# KiCad board Sentinel 65X Keyboard - V01.kicad_pcb
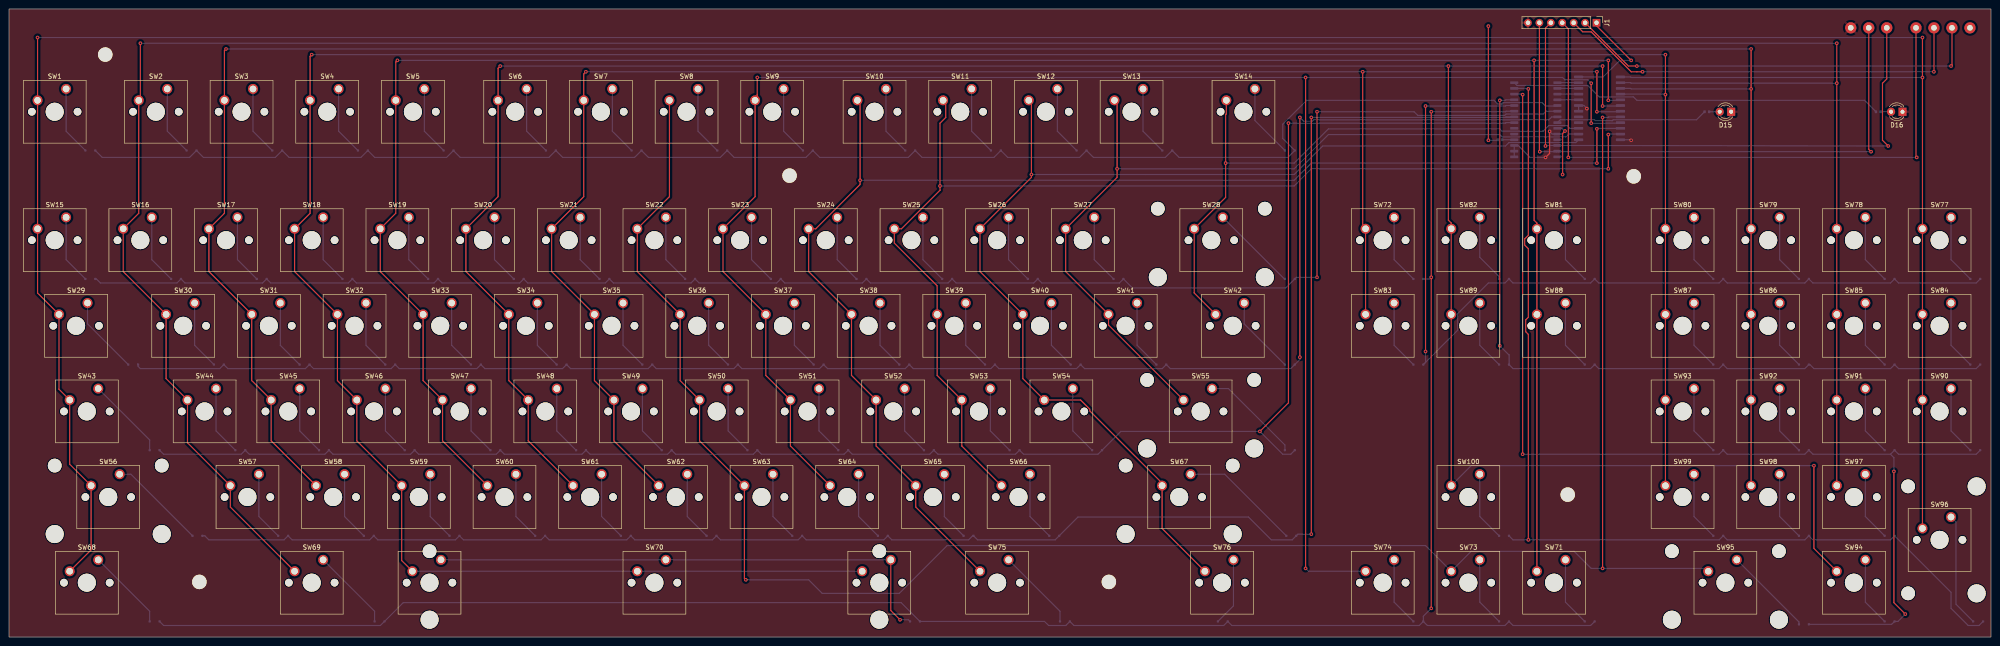
[diagram p0: board, top side]
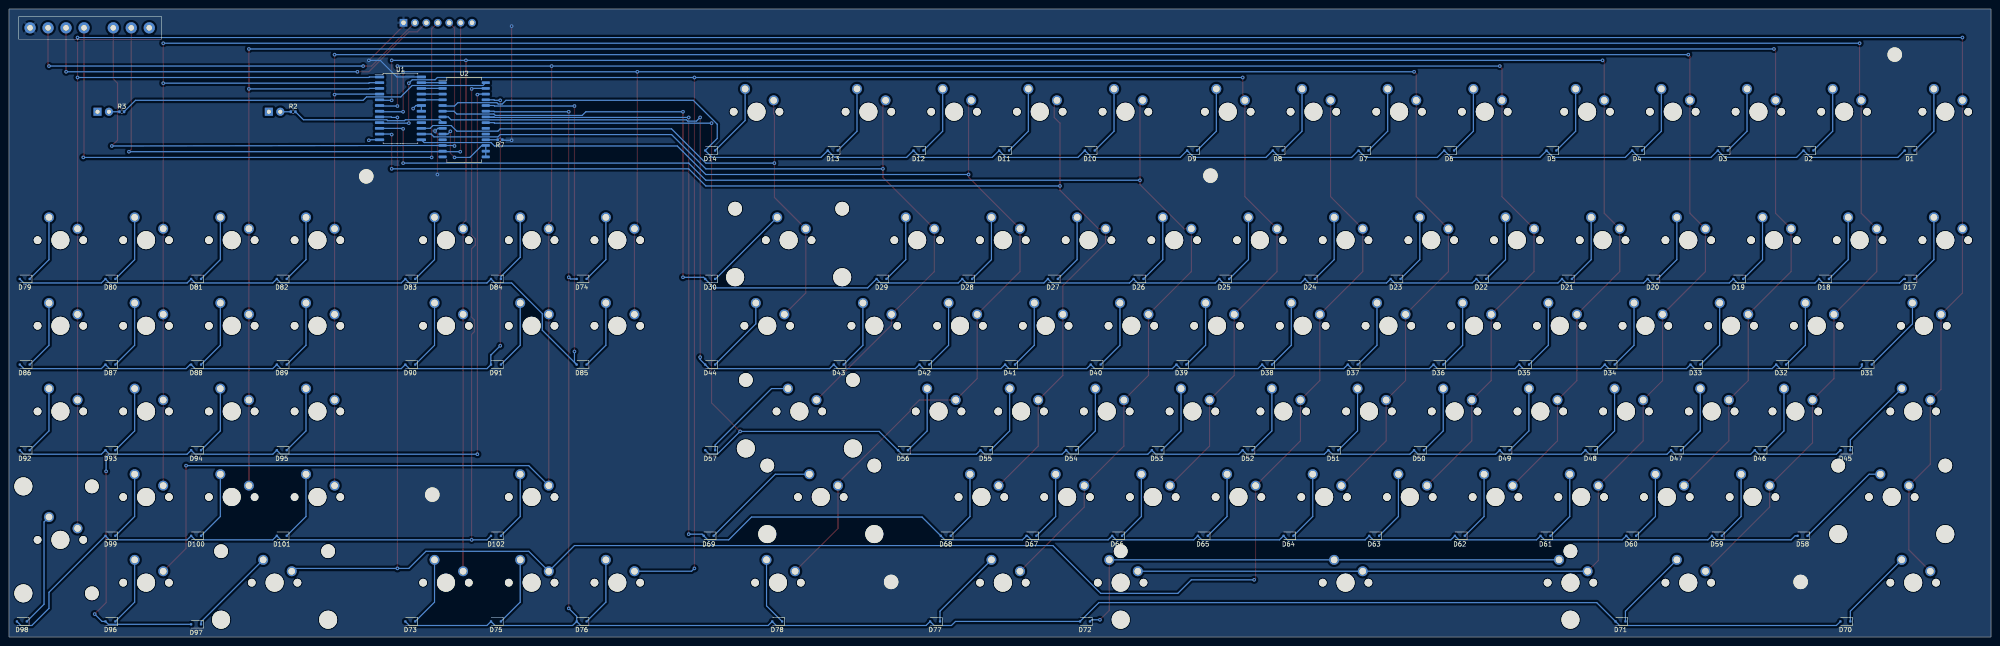
[diagram p1: board, bottom side, seen from below]

Outline 440.69 x 139.73 mm; copper layers: Top, Bottom. Coordinates in mm from the lower left corner of the outline.
Outline path: rectangle 0,139.73 440.69,0

## Placement (name value [footprint] x y rotation side)
D1  1N4148  [D_SOD-323F]  18.09 108.24 0 bottom
D2  1N4148  [D_SOD-323F]  40.59 108.24 0 bottom
D3  1N4148  [D_SOD-323F]  59.64 108.24 0 bottom
D4  1N4148  [D_SOD-323F]  78.69 108.24 0 bottom
D5  1N4148  [D_SOD-323F]  97.74 108.24 0 bottom
D6  1N4148  [D_SOD-323F]  120.48 108.24 0 bottom
D7  1N4148  [D_SOD-323F]  139.53 108.24 0 bottom
D8  1N4148  [D_SOD-323F]  158.58 108.24 0 bottom
D9  1N4148  [D_SOD-323F]  177.63 108.24 0 bottom
D10  1N4148  [D_SOD-323F]  200.38 108.24 0 bottom
D11  1N4148  [D_SOD-323F]  219.43 108.24 0 bottom
D12  1N4148  [D_SOD-323F]  238.48 108.24 0 bottom
D13  1N4148  [D_SOD-323F]  257.53 108.24 0 bottom
D14  1N4148  [D_SOD-323F]  284.79 108.24 0 bottom
D15  LED  [LED_D3.0mm]  382.91 116.87 180 top
D16  LED  [LED_D3.0mm]  421.01 116.87 180 top
D17  1N4148  [D_SOD-323F]  18.09 79.67 0 bottom
D18  1N4148  [D_SOD-323F]  37.14 79.67 0 bottom
D19  1N4148  [D_SOD-323F]  56.19 79.67 0 bottom
D20  1N4148  [D_SOD-323F]  75.24 79.67 0 bottom
D21  1N4148  [D_SOD-323F]  94.29 79.67 0 bottom
D22  1N4148  [D_SOD-323F]  113.34 79.67 0 bottom
D23  1N4148  [D_SOD-323F]  132.39 79.67 0 bottom
D24  1N4148  [D_SOD-323F]  151.44 79.67 0 bottom
D25  1N4148  [D_SOD-323F]  170.49 79.67 0 bottom
D26  1N4148  [D_SOD-323F]  189.54 79.67 0 bottom
D27  1N4148  [D_SOD-323F]  208.59 79.67 0 bottom
D28  1N4148  [D_SOD-323F]  227.64 79.67 0 bottom
D29  1N4148  [D_SOD-323F]  246.69 79.67 0 bottom
D30  1N4148  [D_SOD-323F]  284.79 79.67 0 bottom
D31  1N4148  [D_SOD-323F]  27.62 60.62 0 bottom
D32  1N4148  [D_SOD-323F]  46.66 60.62 0 bottom
D33  1N4148  [D_SOD-323F]  65.72 60.62 0 bottom
D34  1N4148  [D_SOD-323F]  84.77 60.62 0 bottom
D35  1N4148  [D_SOD-323F]  103.81 60.62 0 bottom
D36  1N4148  [D_SOD-323F]  122.87 60.62 0 bottom
D37  1N4148  [D_SOD-323F]  141.92 60.62 0 bottom
D38  1N4148  [D_SOD-323F]  160.97 60.62 0 bottom
D39  1N4148  [D_SOD-323F]  180.02 60.62 0 bottom
D40  1N4148  [D_SOD-323F]  199.06 60.62 0 bottom
D41  1N4148  [D_SOD-323F]  218.12 60.62 0 bottom
D42  1N4148  [D_SOD-323F]  237.16 60.62 0 bottom
D43  1N4148  [D_SOD-323F]  256.21 60.62 0 bottom
D44  1N4148  [D_SOD-323F]  284.79 60.62 0 bottom
D45  1N4148  [D_SOD-323F]  32.38 41.57 0 bottom
D46  1N4148  [D_SOD-323F]  51.43 41.57 0 bottom
D47  1N4148  [D_SOD-323F]  70.03 41.57 0 bottom
D48  1N4148  [D_SOD-323F]  89.09 41.57 0 bottom
D49  1N4148  [D_SOD-323F]  108.14 41.57 0 bottom
D50  1N4148  [D_SOD-323F]  127.19 41.57 0 bottom
D51  1N4148  [D_SOD-323F]  146.24 41.57 0 bottom
D52  1N4148  [D_SOD-323F]  165.28 41.57 0 bottom
D53  1N4148  [D_SOD-323F]  185.49 41.57 0 bottom
D54  1N4148  [D_SOD-323F]  204.53 41.57 0 bottom
D55  1N4148  [D_SOD-323F]  223.59 41.57 0 bottom
D56  1N4148  [D_SOD-323F]  241.93 41.57 0 bottom
D57  1N4148  [D_SOD-323F]  284.79 41.57 0 bottom
D58  1N4148  [D_SOD-323F]  41.9 22.52 0 bottom
D59  1N4148  [D_SOD-323F]  60.95 22.52 0 bottom
D60  1N4148  [D_SOD-323F]  80 22.52 0 bottom
D61  1N4148  [D_SOD-323F]  99.05 22.52 0 bottom
D62  1N4148  [D_SOD-323F]  118.1 22.52 0 bottom
D63  1N4148  [D_SOD-323F]  137.15 22.52 0 bottom
D64  1N4148  [D_SOD-323F]  156.2 22.52 0 bottom
D65  1N4148  [D_SOD-323F]  175.25 22.52 0 bottom
D66  1N4148  [D_SOD-323F]  194.3 22.52 0 bottom
D67  1N4148  [D_SOD-323F]  213.35 22.52 0 bottom
D68  1N4148  [D_SOD-323F]  232.4 22.52 0 bottom
D69  1N4148  [D_SOD-323F]  285.11 22.52 0 bottom
D70  1N4148  [D_SOD-323F]  32.38 3.47 0 bottom
D71  1N4148  [D_SOD-323F]  82.38 3.47 0 bottom
D72  1N4148  [D_SOD-323F]  201.45 3.47 0 bottom
D73  1N4148  [D_SOD-323F]  351.46 3.47 0 bottom
D74  1N4148  [D_SOD-323F]  313.36 79.67 0 bottom
D75  1N4148  [D_SOD-323F]  332.41 3.47 0 bottom
D76  1N4148  [D_SOD-323F]  313.36 3.47 0 bottom
D77  1N4148  [D_SOD-323F]  234.78 3.47 0 bottom
D78  1N4148  [D_SOD-323F]  269.89 3.47 0 bottom
D79  1N4148  [D_SOD-323F]  437.19 79.67 0 bottom
D80  1N4148  [D_SOD-323F]  418.14 79.67 0 bottom
D81  1N4148  [D_SOD-323F]  399.09 79.67 0 bottom
D82  1N4148  [D_SOD-323F]  380.04 79.67 0 bottom
D83  1N4148  [D_SOD-323F]  351.46 79.67 0 bottom
D84  1N4148  [D_SOD-323F]  332.41 79.67 0 bottom
D85  1N4148  [D_SOD-323F]  313.36 60.62 0 bottom
D86  1N4148  [D_SOD-323F]  437.19 60.62 0 bottom
D87  1N4148  [D_SOD-323F]  418.14 60.62 0 bottom
D88  1N4148  [D_SOD-323F]  399.09 60.62 0 bottom
D89  1N4148  [D_SOD-323F]  380.04 60.62 0 bottom
D90  1N4148  [D_SOD-323F]  351.46 60.62 0 bottom
D91  1N4148  [D_SOD-323F]  332.41 60.62 0 bottom
D92  1N4148  [D_SOD-323F]  437.19 41.57 0 bottom
D93  1N4148  [D_SOD-323F]  418.14 41.57 0 bottom
D94  1N4148  [D_SOD-323F]  399.09 41.57 0 bottom
D95  1N4148  [D_SOD-323F]  380.04 41.57 0 bottom
D96  1N4148  [D_SOD-323F]  418.14 3.47 0 bottom
D97  1N4148  [D_SOD-323F]  399.09 2.83 0 bottom
D98  1N4148  [D_SOD-323F]  437.83 3.47 0 bottom
D99  1N4148  [D_SOD-323F]  418.14 22.52 0 bottom
D100  1N4148  [D_SOD-323F]  399.09 22.52 0 bottom
D101  1N4148  [D_SOD-323F]  380.04 22.52 0 bottom
D102  1N4148  [D_SOD-323F]  332.41 22.52 0 bottom
H1  MountingHole  [MountingHole_3.2mm_M3_DIN965]  21.41 129.58 0 top
H2  MountingHole  [MountingHole_3.2mm_M3_DIN965]  42.33 12.26 0 top
H3  MountingHole  [MountingHole_3.2mm_M3_DIN965]  173.55 102.65 0 top
H4  MountingHole  [MountingHole_3.2mm_M3_DIN965]  244.55 12.26 0 top
H5  MountingHole  [MountingHole_3.2mm_M3_DIN965]  361.25 102.49 0 top
H6  MountingHole  [MountingHole_3.2mm_M3_DIN965]  346.57 31.68 0 top
J1  Controller Cable  [PinHeader_1x07_P2.54mm_Vertical]  352.97 136.67 270 top
J2  Controller Cable  [SNES Controller Port (Female, 90º, THT)]  420.77 135.53 180 bottom
R2  1KΩ  [R_0402_1005Metric]  377.51 116.87 180 bottom
R3  1KΩ  [R_0402_1005Metric]  415.61 116.87 180 bottom
R7  10KΩ  [R_0402_1005Metric]  331.51 110.63 0 bottom
SW1  ESCAPE  [SW_Cherry_MX_1.00u_PCB]  12.7 121.95 0 top
SW2  F1  [SW_Cherry_MX_1.00u_PCB]  35.2 121.95 0 top
SW3  F2  [SW_Cherry_MX_1.00u_PCB]  54.25 121.95 0 top
SW4  F3  [SW_Cherry_MX_1.00u_PCB]  73.3 121.95 0 top
SW5  F4  [SW_Cherry_MX_1.00u_PCB]  92.35 121.95 0 top
SW6  F5  [SW_Cherry_MX_1.00u_PCB]  115.09 121.95 0 top
SW7  F6  [SW_Cherry_MX_1.00u_PCB]  134.14 121.95 0 top
SW8  F7  [SW_Cherry_MX_1.00u_PCB]  153.19 121.95 0 top
SW9  F8  [SW_Cherry_MX_1.00u_PCB]  172.24 121.95 0 top
SW10  F9  [SW_Cherry_MX_1.00u_PCB]  194.99 121.95 0 top
SW11  F10  [SW_Cherry_MX_1.00u_PCB]  214.04 121.95 0 top
SW12  F11  [SW_Cherry_MX_1.00u_PCB]  233.09 121.95 0 top
SW13  F12  [SW_Cherry_MX_1.00u_PCB]  252.14 121.95 0 top
SW14  BREAK  [SW_Cherry_MX_1.25u_PCB]  277.02 121.95 0 top
SW15  TILDE  [SW_Cherry_MX_1.00u_PCB]  12.7 93.37 0 top
SW16  1  [SW_Cherry_MX_1.00u_PCB]  31.75 93.37 0 top
SW17  2  [SW_Cherry_MX_1.00u_PCB]  50.8 93.37 0 top
SW18  3  [SW_Cherry_MX_1.00u_PCB]  69.85 93.37 0 top
SW19  4  [SW_Cherry_MX_1.00u_PCB]  88.9 93.37 0 top
SW20  5  [SW_Cherry_MX_1.00u_PCB]  107.95 93.37 0 top
SW21  6  [SW_Cherry_MX_1.00u_PCB]  127 93.37 0 top
SW22  7  [SW_Cherry_MX_1.00u_PCB]  146.05 93.37 0 top
SW23  8  [SW_Cherry_MX_1.00u_PCB]  165.1 93.37 0 top
SW24  9  [SW_Cherry_MX_1.00u_PCB]  184.15 93.37 0 top
SW25  0  [SW_Cherry_MX_1.00u_PCB]  203.2 93.37 0 top
SW26  HYPHEN  [SW_Cherry_MX_1.00u_PCB]  222.25 93.37 0 top
SW27  EQUALS  [SW_Cherry_MX_1.00u_PCB]  241.3 93.37 0 top
SW28  BACKSPACE  [SW_Cherry_MX_2.00u_PCB]  269.88 93.37 0 top
SW29  TAB  [SW_Cherry_MX_1.50u_PCB]  17.46 74.32 0 top
SW30  Q  [SW_Cherry_MX_1.00u_PCB]  41.27 74.32 0 top
SW31  W  [SW_Cherry_MX_1.00u_PCB]  60.32 74.32 0 top
SW32  E  [SW_Cherry_MX_1.00u_PCB]  79.38 74.32 0 top
SW33  R  [SW_Cherry_MX_1.00u_PCB]  98.43 74.32 0 top
SW34  T  [SW_Cherry_MX_1.00u_PCB]  117.47 74.32 0 top
SW35  Y  [SW_Cherry_MX_1.00u_PCB]  136.53 74.32 0 top
SW36  U  [SW_Cherry_MX_1.00u_PCB]  155.58 74.32 0 top
SW37  I  [SW_Cherry_MX_1.00u_PCB]  174.62 74.32 0 top
SW38  O  [SW_Cherry_MX_1.00u_PCB]  193.68 74.32 0 top
SW39  P  [SW_Cherry_MX_1.00u_PCB]  212.72 74.32 0 top
SW40  OPEN_BRACKET  [SW_Cherry_MX_1.00u_PCB]  231.78 74.32 0 top
SW41  CLOSE_BRACKET  [SW_Cherry_MX_1.00u_PCB]  250.83 74.32 0 top
SW42  BK_SLASH  [SW_Cherry_MX_1.50u_PCB]  274.64 74.32 0 top
SW43  COMMAND  [SW_Cherry_MX_1.75u_PCB]  19.84 55.27 0 top
SW44  A  [SW_Cherry_MX_1.00u_PCB]  46.04 55.27 0 top
SW45  S  [SW_Cherry_MX_1.00u_PCB]  64.65 55.27 0 top
SW46  D  [SW_Cherry_MX_1.00u_PCB]  83.69 55.27 0 top
SW47  F  [SW_Cherry_MX_1.00u_PCB]  102.75 55.27 0 top
SW48  G  [SW_Cherry_MX_1.00u_PCB]  121.8 55.27 0 top
SW49  H  [SW_Cherry_MX_1.00u_PCB]  140.84 55.27 0 top
SW50  J  [SW_Cherry_MX_1.00u_PCB]  159.9 55.27 0 top
SW51  K  [SW_Cherry_MX_1.00u_PCB]  180.09 55.27 0 top
SW52  L  [SW_Cherry_MX_1.00u_PCB]  199.15 55.27 0 top
SW53  SEMICOLON  [SW_Cherry_MX_1.00u_PCB]  218.2 55.27 0 top
SW54  APOSTROPHE  [SW_Cherry_MX_1.00u_PCB]  236.54 55.27 0 top
SW55  RETURN  [SW_Cherry_MX_2.25u_PCB]  267.49 55.27 0 top
SW56  L_SHIFT  [SW_Cherry_MX_2.25u_PCB]  24.61 36.22 0 top
SW57  Z  [SW_Cherry_MX_1.00u_PCB]  55.56 36.22 0 top
SW58  X  [SW_Cherry_MX_1.00u_PCB]  74.61 36.22 0 top
SW59  C  [SW_Cherry_MX_1.00u_PCB]  196.06 17.17 0 top
SW59#2  C  [SW_Cherry_MX_1.00u_PCB]  93.66 36.22 0 top
SW59#3  C  [SW_Cherry_MX_1.00u_PCB]  96.04 17.17 0 top
SW60  V  [SW_Cherry_MX_1.00u_PCB]  112.71 36.22 0 top
SW61  B  [SW_Cherry_MX_1.00u_PCB]  131.76 36.22 0 top
SW62  N  [SW_Cherry_MX_1.00u_PCB]  150.81 36.22 0 top
SW63  M  [SW_Cherry_MX_1.00u_PCB]  169.86 36.22 0 top
SW64  COMMA  [SW_Cherry_MX_1.00u_PCB]  188.91 36.22 0 top
SW65  PERIOD  [SW_Cherry_MX_1.00u_PCB]  207.96 36.22 0 top
SW66  FW_SLASH  [SW_Cherry_MX_1.00u_PCB]  227.01 36.22 0 top
SW67  R_SHIFT  [SW_Cherry_MX_2.75u_PCB]  262.73 36.22 0 top
SW68  CONTROL  [SW_Cherry_MX_1.75u_PCB]  19.84 17.17 0 top
SW69  L_OPTION  [SW_Cherry_MX_1.75u_PCB]  69.85 17.17 0 top
SW70  SPACE  [SW_Cherry_MX_6.25u_PCB]  146.05 17.17 0 top
SW71  RIGHT  [SW_Cherry_MX_1.00u_PCB]  346.07 17.17 0 top
SW72  INSERT  [SW_Cherry_MX_1.00u_PCB]  307.97 93.37 0 top
SW73  DOWN  [SW_Cherry_MX_1.00u_PCB]  327.02 17.17 0 top
SW74  LEFT  [SW_Cherry_MX_1.00u_PCB]  307.97 17.17 0 top
SW75  R_OPTION  [SW_Cherry_MX_1.75u_PCB]  222.25 17.17 0 top
SW76  COMPOSE  [SW_Cherry_MX_1.75u_PCB]  272.26 17.17 0 top
SW77  NUM_MULTIPLY  [SW_Cherry_MX_1.00u_PCB]  431.8 93.37 0 top
SW78  NUM_DIVIDE  [SW_Cherry_MX_1.00u_PCB]  412.75 93.37 0 top
SW79  NUM_EQUALS  [SW_Cherry_MX_1.00u_PCB]  393.7 93.37 0 top
SW80  NUM_CLEAR  [SW_Cherry_MX_1.00u_PCB]  374.65 93.37 0 top
SW81  PAGE_UP  [SW_Cherry_MX_1.00u_PCB]  346.07 93.37 0 top
SW82  HOME  [SW_Cherry_MX_1.00u_PCB]  327.02 93.37 0 top
SW83  DELETE  [SW_Cherry_MX_1.00u_PCB]  307.97 74.32 0 top
SW84  NUM_SUBTRACT  [SW_Cherry_MX_1.00u_PCB]  431.8 74.32 0 top
SW85  NUM_9  [SW_Cherry_MX_1.00u_PCB]  412.75 74.32 0 top
SW86  NUM_8  [SW_Cherry_MX_1.00u_PCB]  393.7 74.32 0 top
SW87  NUM_7  [SW_Cherry_MX_1.00u_PCB]  374.65 74.32 0 top
SW88  PAGE_DOWN  [SW_Cherry_MX_1.00u_PCB]  346.07 74.32 0 top
SW89  END  [SW_Cherry_MX_1.00u_PCB]  327.02 74.32 0 top
SW90  NUM_ADD  [SW_Cherry_MX_1.00u_PCB]  431.8 55.27 0 top
SW91  NUM_6  [SW_Cherry_MX_1.00u_PCB]  412.75 55.27 0 top
SW92  NUM_5  [SW_Cherry_MX_1.00u_PCB]  393.7 55.27 0 top
SW93  NUM_4  [SW_Cherry_MX_1.00u_PCB]  374.65 55.27 0 top
SW94  NUM_POINT  [SW_Cherry_MX_1.00u_PCB]  412.75 17.17 0 top
SW95  NUM_0  [SW_Cherry_MX_2.00u_PCB]  384.17 17.17 0 top
SW96  NUM_ENTER  [SW_Cherry_MX_2.00u_Vertical_PCB]  431.8 26.7 0 top
SW97  NUM_3  [SW_Cherry_MX_1.00u_PCB]  412.75 36.22 0 top
SW98  NUM_2  [SW_Cherry_MX_1.00u_PCB]  393.7 36.22 0 top
SW99  NUM_1  [SW_Cherry_MX_1.00u_PCB]  374.65 36.22 0 top
SW100  UP  [SW_Cherry_MX_1.00u_PCB]  327.02 36.22 0 top
U1  74HC154  [SOIC-24W_7.5x15.4mm_P1.27mm]  353.65 117.62 180 bottom
U2  MCP23017_SP  [SOIC-28W_7.5x18.7mm_P1.27mm]  339.48 115.08 180 bottom

## Library data of the parts
D1-D14 D17-D102 = -: Description: Diode; Sim.Device: D; Sim.Pins: 1=K 2=A
D15 D16 = -: Description: Light emitting diode
H1-H6 = -: Description: Mounting Hole without connection
J1 J2 = -: Description: Generic connector, single row, 01x07, script generated (kicad-library-utils/schlib/autogen/connector/)
R2 R3 R7 = -: Description: Resistor
SW1-SW59 SW59#2 SW59#3 SW60-SW100 = -: Description: Single Pole Single Throw (SPST) switch
U1 = -: Description: Decoder 4 to 16
U2 = -: Description: 16-bit I/O expander, I2C, interrupts, w pull-ups, SPDIP-28

## Footprints (pads in the part's own frame, mm; a bottom-side part is the same pattern mirrored in y, then rotated)
D_SOD-323F
  rrect 0.5x0.5 smd: 1(-1.1,0) 2(1.1,0)
LED_D3.0mm
  rect 1.8x1.8 hole 0.9: 1(0,0)
  round 1.8 hole 0.9: 2(2.54,0)
MountingHole_3.2mm_M3_DIN965
  round 3.2 hole 3.2 unplated: (0,0)
PinHeader_1x07_P2.54mm_Vertical
  rect 1.7x1.7 hole 1: 1(0,0)
  oval 1.7x1.7 hole 1: 2(0,-2.54) 3(0,-5.08) 4(0,-7.62) 5(0,-10.16) 6(0,-12.7) 7(0,-15.24)
R_0402_1005Metric
  rrect 0.54x0.64 smd: 1(-0.51,0) 2(0.51,0)
SNES Controller Port (Female, 90º, THT)
  round 2.5 hole 1.25: 1(-15.24,0) 2(-11.24,0) 3(-7.24,0) 4(-3.24,0) 5(3.26,0) 6(7.26,0) 7(11.26,0)
SOIC-24W_7.5x15.4mm_P1.27mm
  rrect 2.05x0.6 smd: 1(-4.65,6.985) 2(-4.65,5.715) 3(-4.65,4.445) 4(-4.65,3.175) 5(-4.65,1.905) 6(-4.65,0.635) 7(-4.65,-0.635) 8(-4.65,-1.905) 9(-4.65,-3.175) 10(-4.65,-4.445) 11(-4.65,-5.715) 12(-4.65,-6.985) 13(4.65,-6.985) 14(4.65,-5.715) 15(4.65,-4.445) 16(4.65,-3.175) 17(4.65,-1.905) 18(4.65,-0.635) 19(4.65,0.635) 20(4.65,1.905) 21(4.65,3.175) 22(4.65,4.445) 23(4.65,5.715) 24(4.65,6.985)
SOIC-28W_7.5x18.7mm_P1.27mm
  rrect 1.8x0.6 smd: 1(-4.8,8.255) 2(-4.8,6.985) 3(-4.8,5.715) 4(-4.8,4.445) 5(-4.8,3.175) 6(-4.8,1.905) 7(-4.8,0.635) 8(-4.8,-0.635) 9(-4.8,-1.905) 10(-4.8,-3.175) 11(-4.8,-4.445) 12(-4.8,-5.715) 13(-4.8,-6.985) 14(-4.8,-8.255) 15(4.8,-8.255) 16(4.8,-6.985) 17(4.8,-5.715) 18(4.8,-4.445) 19(4.8,-3.175) 20(4.8,-1.905) 21(4.8,-0.635) 22(4.8,0.635) 23(4.8,1.905) 24(4.8,3.175) 25(4.8,4.445) 26(4.8,5.715) 27(4.8,6.985) 28(4.8,8.255)
SW_Cherry_MX_1.00u_PCB
  round 1.7 hole 1.7 unplated: (-7.62,-5.08) (2.54,-5.08)
  round 4 hole 4 unplated: (-2.54,-5.08)
  round 2.2 hole 1.5: 1(0,0) 2(-6.35,-2.54)
SW_Cherry_MX_1.25u_PCB
  round 1.7 hole 1.7 unplated: (-7.62,-5.08) (2.54,-5.08)
  round 4 hole 4 unplated: (-2.54,-5.08)
  round 2.2 hole 1.5: 1(0,0) 2(-6.35,-2.54)
SW_Cherry_MX_1.50u_PCB
  round 1.7 hole 1.7 unplated: (-7.62,-5.08) (2.54,-5.08)
  round 4 hole 4 unplated: (-2.54,-5.08)
  round 2.2 hole 1.5: 1(0,0) 2(-6.35,-2.54)
SW_Cherry_MX_1.75u_PCB
  round 1.7 hole 1.7 unplated: (-7.62,-5.08) (2.54,-5.08)
  round 4 hole 4 unplated: (-2.54,-5.08)
  round 2.2 hole 1.5: 1(0,0) 2(-6.35,-2.54)
SW_Cherry_MX_2.00u_PCB
  round 3.05 hole 3.05 unplated: (-14.44,1.92) (9.36,1.92)
  round 4 hole 4 unplated: (-14.44,-13.32) (-2.54,-5.08) (9.36,-13.32)
  round 1.7 hole 1.7 unplated: (-7.62,-5.08) (2.54,-5.08)
  round 2.2 hole 1.5: 1(0,0) 2(-6.35,-2.54)
SW_Cherry_MX_2.00u_Vertical_PCB
  round 3.05 hole 3.05 unplated: (-9.54,6.82) (-9.54,-16.98)
  round 1.7 hole 1.7 unplated: (-7.62,-5.08) (2.54,-5.08)
  round 4 hole 4 unplated: (-2.54,-5.08) (5.7,6.82) (5.7,-16.98)
  round 2.2 hole 1.5: 1(0,0) 2(-6.35,-2.54)
SW_Cherry_MX_2.25u_PCB
  round 3.05 hole 3.05 unplated: (-14.44,1.92) (9.36,1.92)
  round 4 hole 4 unplated: (-14.44,-13.32) (-2.54,-5.08) (9.36,-13.32)
  round 1.7 hole 1.7 unplated: (-7.62,-5.08) (2.54,-5.08)
  round 2.2 hole 1.5: 1(0,0) 2(-6.35,-2.54)
SW_Cherry_MX_2.75u_PCB
  round 3.05 hole 3.05 unplated: (-14.44,1.92) (9.36,1.92)
  round 4 hole 4 unplated: (-14.44,-13.32) (-2.54,-5.08) (9.36,-13.32)
  round 1.7 hole 1.7 unplated: (-7.62,-5.08) (2.54,-5.08)
  round 2.2 hole 1.5: 1(0,0) 2(-6.35,-2.54)
SW_Cherry_MX_6.25u_PCB
  round 3.05 hole 3.05 unplated: (-52.54,1.92) (47.46,1.92)
  round 4 hole 4 unplated: (-52.54,-13.32) (-2.54,-5.08) (47.46,-13.32)
  round 1.7 hole 1.7 unplated: (-7.62,-5.08) (2.54,-5.08)
  round 2.2 hole 1.5: 1(0,0) 2(-6.35,-2.54)

## Nets
GND: D15.1 D16.1 J1.7 J2.7 U1.12 U1.18 U1.19 U2.10 U2.15 U2.16 U2.17
VCC: J1.1 J2.1 R7.1 U1.24 U2.9
COL0: SW1.2 SW15.2 SW29.2 SW43.2 SW56.2 SW68.2 SW77.2 SW84.2 SW90.2 SW96.2 U1.1
COL1: SW2.2 SW16.2 SW30.2 SW44.2 SW57.2 SW69.2 SW78.2 SW85.2 SW91.2 SW97.2 U1.2
COL2: SW3.2 SW17.2 SW31.2 SW45.2 SW58.2 SW79.2 SW86.2 SW92.2 SW98.2 U1.3
COL3: SW4.2 SW18.2 SW32.2 SW46.2 SW59.2 SW59#2.2 SW59#3.2 SW70.2 SW80.2 SW87.2 SW93.2 SW99.2 U1.4
COL4: SW5.2 SW19.2 SW33.2 SW47.2 SW60.2 SW71.2 SW81.2 SW88.2 U1.5
COL5: SW6.2 SW20.2 SW34.2 SW48.2 SW61.2 SW82.2 SW89.2 SW94.2 SW100.2 U1.6
COL6: SW7.2 SW21.2 SW35.2 SW49.2 SW62.2 SW72.2 SW83.2 U1.7
COL7: SW8.2 SW22.2 SW36.2 SW50.2 SW63.2 SW73.2 SW95.2 U1.8
COL8: SW9.2 SW23.2 SW37.2 SW51.2 SW64.2 SW74.2 U1.9
COL9: SW10.2 SW24.2 SW38.2 SW52.2 SW65.2 SW75.2 U1.10
COL10: SW11.2 SW25.2 SW39.2 SW53.2 SW66.2 U1.11
COL11: SW12.2 SW26.2 SW40.2 SW54.2 SW67.2 SW76.2 U1.13
COL12: SW13.2 SW27.2 SW41.2 SW55.2 U1.14
COL13: SW14.2 SW28.2 SW42.2 U1.15
LED0: R2.2 U2.8
LED1: R3.2 U2.28
ROW0: D1.2 D2.2 D3.2 D4.2 D5.2 D6.2 D7.2 D8.2 D9.2 D10.2 D11.2 D12.2 D13.2 D14.2 U2.5
ROW1: D17.2 D18.2 D19.2 D20.2 D21.2 D22.2 D23.2 D24.2 D25.2 D26.2 D27.2 D28.2 D29.2 D30.2 U2.6
ROW2: D31.2 D32.2 D33.2 D34.2 D35.2 D36.2 D37.2 D38.2 D39.2 D40.2 D41.2 D42.2 D43.2 D44.2 U2.7
ROW3: D45.2 D46.2 D47.2 D48.2 D49.2 D50.2 D51.2 D52.2 D53.2 D54.2 D55.2 D56.2 D57.2 U2.21
ROW4: D58.2 D59.2 D60.2 D61.2 D62.2 D63.2 D64.2 D65.2 D66.2 D67.2 D68.2 D69.2 U2.22
ROW5: D70.2 D71.2 D72.2 D73.2 D74.2 D75.2 D76.2 D77.2 D78.2 U2.23
ROW6: D79.2 D80.2 D81.2 D82.2 D83.2 D84.2 D85.2 U2.24
ROW7: D86.2 D87.2 D88.2 D89.2 D90.2 D91.2 U2.25
ROW8: D92.2 D93.2 D94.2 D95.2 D96.2 D97.2 U2.26
ROW9: D98.2 D99.2 D100.2 D101.2 D102.2 U2.27
SCL: J1.5 J2.5 U2.12
SDA: J1.6 J2.6 U2.13
SNES_CLK: J1.2 J2.2
SNES_DATA: J1.4 J2.4
SNES_LATCH: J1.3 J2.3
Net-(D1-K): D1.1 SW1.1
Net-(D2-K): D2.1 SW2.1
Net-(D3-K): D3.1 SW3.1
Net-(D4-K): D4.1 SW4.1
Net-(D5-K): D5.1 SW5.1
Net-(D6-K): D6.1 SW6.1
Net-(D7-K): D7.1 SW7.1
Net-(D8-K): D8.1 SW8.1
Net-(D9-K): D9.1 SW9.1
Net-(D10-K): D10.1 SW10.1
Net-(D11-K): D11.1 SW11.1
Net-(D12-K): D12.1 SW12.1
Net-(D13-K): D13.1 SW13.1
Net-(D14-K): D14.1 SW14.1
Net-(D15-A): D15.2 R2.1
Net-(D16-A): D16.2 R3.1
Net-(D17-K): D17.1 SW15.1
Net-(D18-K): D18.1 SW16.1
Net-(D19-K): D19.1 SW17.1
Net-(D20-K): D20.1 SW18.1
Net-(D21-K): D21.1 SW19.1
Net-(D22-K): D22.1 SW20.1
Net-(D23-K): D23.1 SW21.1
Net-(D24-K): D24.1 SW22.1
Net-(D25-K): D25.1 SW23.1
Net-(D26-K): D26.1 SW24.1
Net-(D27-K): D27.1 SW25.1
Net-(D28-K): D28.1 SW26.1
Net-(D29-K): D29.1 SW27.1
Net-(D30-K): D30.1 SW28.1
Net-(D31-K): D31.1 SW29.1
Net-(D32-K): D32.1 SW30.1
Net-(D33-K): D33.1 SW31.1
Net-(D34-K): D34.1 SW32.1
Net-(D35-K): D35.1 SW33.1
Net-(D36-K): D36.1 SW34.1
Net-(D37-K): D37.1 SW35.1
Net-(D38-K): D38.1 SW36.1
Net-(D39-K): D39.1 SW37.1
Net-(D40-K): D40.1 SW38.1
Net-(D41-K): D41.1 SW39.1
Net-(D42-K): D42.1 SW40.1
Net-(D43-K): D43.1 SW41.1
Net-(D44-K): D44.1 SW42.1
Net-(D45-K): D45.1 SW43.1
Net-(D46-K): D46.1 SW44.1
Net-(D47-K): D47.1 SW45.1
Net-(D48-K): D48.1 SW46.1
Net-(D49-K): D49.1 SW47.1
Net-(D50-K): D50.1 SW48.1
Net-(D51-K): D51.1 SW49.1
Net-(D52-K): D52.1 SW50.1
Net-(D53-K): D53.1 SW51.1
Net-(D54-K): D54.1 SW52.1
Net-(D55-K): D55.1 SW53.1
Net-(D56-K): D56.1 SW54.1
Net-(D57-K): D57.1 SW55.1
Net-(D58-K): D58.1 SW56.1
Net-(D59-K): D59.1 SW57.1
Net-(D60-K): D60.1 SW58.1
Net-(D61-K): D61.1 SW59#2.1
Net-(D62-K): D62.1 SW60.1
Net-(D63-K): D63.1 SW61.1
Net-(D64-K): D64.1 SW62.1
Net-(D65-K): D65.1 SW63.1
Net-(D66-K): D66.1 SW64.1
Net-(D67-K): D67.1 SW65.1
Net-(D68-K): D68.1 SW66.1
Net-(D69-K): D69.1 SW67.1
Net-(D70-K): D70.1 SW68.1
Net-(D71-K): D71.1 SW69.1
Net-(D72-K): D72.1 SW59.1 SW59#3.1 SW70.1
Net-(D73-K): D73.1 SW71.1
Net-(D74-K): D74.1 SW72.1
Net-(D75-K): D75.1 SW73.1
Net-(D76-K): D76.1 SW74.1
Net-(D77-K): D77.1 SW75.1
Net-(D78-K): D78.1 SW76.1
Net-(D79-K): D79.1 SW77.1
Net-(D80-K): D80.1 SW78.1
Net-(D81-K): D81.1 SW79.1
Net-(D82-K): D82.1 SW80.1
Net-(D83-K): D83.1 SW81.1
Net-(D84-K): D84.1 SW82.1
Net-(D85-K): D85.1 SW83.1
Net-(D86-K): D86.1 SW84.1
Net-(D87-K): D87.1 SW85.1
Net-(D88-K): D88.1 SW86.1
Net-(D89-K): D89.1 SW87.1
Net-(D90-K): D90.1 SW88.1
Net-(D91-K): D91.1 SW89.1
Net-(D92-K): D92.1 SW90.1
Net-(D93-K): D93.1 SW91.1
Net-(D94-K): D94.1 SW92.1
Net-(D95-K): D95.1 SW93.1
Net-(D96-K): D96.1 SW94.1
Net-(D97-K): D97.1 SW95.1
Net-(D98-K): D98.1 SW96.1
Net-(D99-K): D99.1 SW97.1
Net-(D100-K): D100.1 SW98.1
Net-(D101-K): D101.1 SW99.1
Net-(D102-K): D102.1 SW100.1
Net-(U1-A0): U1.23 U2.1
Net-(U1-A1): U1.22 U2.2
Net-(U1-A2): U1.21 U2.3
Net-(U1-A3): U1.20 U2.4
Net-(U2-~{RESET}): R7.2 U2.18

Pads without a net: U1 16 17; U2 11 14 19 20

## Via types
v1: diameter 0.8, hole 0.4, Top to Bottom, 83 vias

## Routing (per net, layer and track width the routed paths; a pad name or vN(x,y) marks a point on that pad's centre or on a via; arc(x,y) is an arc through that point)
GND: length 24.8
  Top w0.25: v1(342.55,112.5) 342.55,107.63 v1(341.63,106.71)
  Bottom w0.25: v1(341.63,106.71) 338.21,106.71 335.56,109.36 334.68,109.36 334.68,106.82 ; 342.55,112.47 343.12,111.9 U2.10 ; 342.55,112.47 v1(342.55,112.5) ; 342.55,112.47 342.61,112.41 ; 350.82,117.63 350.88,117.57 v1(350.83,117.57) 350.83,117.61 350.19,118.25 U1.19 U1.18 ; v1(360.68,110.52) 360.56,110.63 U1.12
VCC: length 64.4
  Top w0.25: v1(345.97,112.57) 345.44,112.04 v1(345.44,102.9) ; J1.1 352.97,136 v1(360.68,128.3) ; v1(328.93,110.52) v1(328.93,135.92)
  Bottom w0.25: 344.28,113.17 345.33,113.17 345.93,112.57 v1(345.97,112.57) 345.97,112.54 345.9,112.6 ; v1(360.68,128.3) 358.14,128.3 354.44,124.6 U1.24 ; R7.1 330.89,110.52 v1(328.93,110.52) 329.04,110.63
COL0: length 721.2
  Top w0.25: v1(6.35,133.38) SW1.2 SW15.2 6.35,76.54 SW29.2 11.11,55.11 13.49,52.73 13.49,38.44 SW56.2 18.26,19.39 13.49,14.63 ; v1(425.45,133.38) SW77.2 SW84.2 SW96.2
  Bottom w0.25: U1.1 360.56,124.6 360.68,124.49 v1(425.45,124.49) ; v1(6.35,133.38) v1(425.45,133.38)
COL1: length 658.6
  Top w0.25: v1(29.21,132.11) 29.21,119.77 SW2.2 28.85,94.28 SW16.2 25.4,81.31 SW30.2 34.93,57.49 39.69,52.73 39.69,43.21 SW57.2 49.21,28.92 63.5,14.63 ; v1(406.4,132.11) SW78.2 SW85.2 SW97.2
  Bottom w0.25: v1(406.4,123.22) 360.68,123.22 360.56,123.33 U1.2 ; v1(29.21,132.11) v1(406.4,132.11)
COL2: length 573.9
  Top w0.25: SW98.2 SW86.2 SW79.2 v1(387.35,130.84) ; v1(48.26,130.84) 47.9,130.47 SW3.2 47.9,94.28 44.45,90.83 44.45,81.31 SW31.2 53.98,57.05 58.29,52.73 58.29,43.65 SW58.2
  Bottom w0.25: 358.3,122.06 360.56,122.06 360.68,121.95 v1(387.35,121.95) ; v1(48.26,130.84) v1(387.35,130.84)
COL3: length 634.3
  Top w0.25: 89.69,14.63 87.31,17.01 SW59#2.2 77.34,43.65 77.34,52.73 73.03,57.05 SW32.2 63.5,81.31 SW18.2 66.95,94.28 SW4.2 66.95,129.2 v1(67.31,129.57) ; v1(368.3,129.57) v1(368.3,120.68) SW80.2 SW87.2 SW99.2
  Bottom w0.25: 89.69,14.63 189.71,14.63 ; U1.4 368.19,120.79 v1(368.3,120.68) ; v1(368.3,129.57) v1(67.31,129.57)
COL4: length 500.9
  Top w0.25: v1(339.09,128.3) 339.09,92.74 339.72,92.1 SW81.2 SW88.2 339.72,14.63 ; v1(86.36,128.3) 86,127.93 SW5.2 86,94.28 SW19.2 82.55,81.31 SW33.2 92.07,57.05 96.4,52.73 96.4,43.65 SW60.2 ; v1(355.6,128.3) v1(355.6,119.41)
  Bottom w0.25: v1(355.6,119.41) 358.19,119.41 358.3,119.52 ; v1(355.6,128.3) v1(339.09,128.3) v1(86.36,128.3)
COL5: length 566.1
  Top w0.25: SW100.2 SW89.2 SW82.2 320.67,92.1 320.04,92.74 v1(320.04,127.03) ; SW61.2 115.45,43.65 115.45,52.73 111.12,57.05 SW34.2 101.6,81.31 SW20.2 108.74,97.97 SW6.2 108.74,126.55 v1(109.22,127.03) ; v1(354.33,127.03) v1(354.33,118.14) ; 406.4,14.63 401.32,19.71 v1(401.32,38.13)
  Bottom w0.25: v1(401.32,38.13) 325.12,38.13 SW100.2 ; U1.6 358.19,118.14 v1(354.33,118.14) ; v1(109.22,127.03) v1(320.04,127.03) v1(354.33,127.03)
COL6: length 398.3
  Top w0.25: v1(300.99,125.76) 300.99,91.47 SW72.2 SW83.2 ; v1(128.27,125.76) 127.79,125.28 SW7.2 127.79,97.97 SW21.2 120.65,81.31 SW35.2 130.18,57.05 134.5,52.73 134.5,43.65 SW62.2 ; v1(353.06,125.76) v1(353.06,116.87)
  Bottom w0.25: v1(128.27,125.76) v1(300.99,125.76) v1(353.06,125.76) ; v1(353.06,116.87) 358.19,116.87 U1.7
COL7: length 449.7
  Top w0.25: v1(163.83,12.73) 163.51,13.04 SW63.2 153.55,43.65 153.55,52.73 149.22,57.05 SW36.2 139.7,81.31 SW22.2 146.84,97.97 SW8.2 ; v1(354.33,115.6) v1(354.33,15.27)
  Bottom w0.25: 377.82,14.63 377.19,15.27 351.79,15.27 347.98,19.08 325.12,19.08 320.67,14.63 314.96,20.35 208.58,20.35 197.95,9.72 180.81,9.72 177.8,12.73 v1(163.83,12.73) ; v1(354.33,115.6) 355.6,115.6 355.71,115.71 U1.8
COL8: length 428
  Top w0.25: v1(288.29,124.49) v1(288.29,15.27) ; v1(166.37,124.49) 166.37,119.88 SW9.2 165.89,97.97 SW23.2 158.75,81.31 SW37.2 168.28,58.2 173.75,52.73 173.75,42.5 SW64.2 ; v1(351.79,123.22) v1(351.79,114.33)
  Bottom w0.25: v1(166.37,124.49) v1(288.29,124.49) 345.44,124.49 345.95,123.98 351.03,123.98 v1(351.79,123.22) ; v1(288.29,15.27) 288.92,14.63 301.62,14.63 ; v1(351.79,114.33) 358.19,114.33 358.3,114.44
COL9: length 304.8
  Top w0.25: SW10.2 189.23,118.82 189.23,100.67 179.39,90.83 SW24.2 177.8,81.31 SW38.2 187.33,58.2 192.8,52.73 192.8,42.5 SW65.2 201.61,28.92 215.9,14.63 ; v1(353.06,113.06) v1(353.06,105.44)
  Bottom w0.25: v1(189.23,101.63) 285.75,101.63 289.56,105.44 v1(353.06,105.44) ; v1(353.06,113.06) 353.12,113.06 353.24,113.17 U1.10
COL10: length 262
  Top w0.25: SW66.2 211.84,42.5 211.84,52.73 206.38,58.2 SW39.2 206.38,78.13 196.85,87.66 196.85,90.83 198.44,90.83 207.01,99.4 207.01,114.33 208.28,115.6 208.28,118.82 SW11.2 ; v1(355.6,111.79) v1(355.6,104.17)
  Bottom w0.25: v1(355.6,104.17) 289.56,104.17 285.75,100.36 v1(207.01,100.36) ; U1.11 355.71,111.9 v1(355.6,111.79)
COL11: length 260.1
  Top w0.25: SW12.2 227.33,118.82 227.33,102.26 SW26.2 215.9,81.31 SW40.2 225.42,57.49 230.19,52.73 238.27,52.73 240.3,50.7 240.3,50.31 256.38,34.23 SW67.2 256.38,24.16 265.91,14.63
  Bottom w0.25: v1(227.33,102.9) 285.75,102.9 292.1,109.25 332.74,109.25 333.5,110.01 348.38,110.01 U1.13
COL12: length 188.7
  Top w0.25: SW13.2 246.38,118.82 246.38,102.26 SW27.2 234.95,81.31 SW41.2 244.47,69.4 261.14,52.73
  Bottom w0.25: v1(246.38,104.17) 285.75,104.17 293.37,111.79 331.47,111.79 331.98,111.28 346.2,111.28 346.82,111.9 U1.14
COL13: length 135.2
  Top w0.25: SW42.2 263.52,76.54 SW28.2 270.51,97.82 270.51,116.24 270.67,116.4 SW14.2
  Bottom w0.25: U1.15 347.06,113.17 346.43,113.8 342.37,113.8 341.12,112.55 331.98,112.55 331.47,113.06 293.37,113.06 285.75,105.44 v1(270.51,105.44)
LED0: length 33.9
  Bottom w0.25: U2.8 344.92,115.09 352.55,115.09 352.76,114.87 356.48,114.87 356.69,115.09 375.22,115.09 R2.2
LED1: length 83.1
  Bottom w0.25: 334.68,123.33 335.31,122.71 351.03,122.71 353.57,120.17 361.19,120.17 361.95,119.41 412.56,119.41 R3.2
ROW0: length 354.3
  Bottom w0.25: U2.5 344.16,118.14 341.63,118.14 340.89,118.88 332.21,118.88 331.92,118.59 331.02,118.59 330.2,119.41 288.53,119.41 283.21,114.08 283.21,110.92 D14.2 284.35,106.71 260.17,106.71 D13.2 257.1,106.71 241.12,106.71 D12.2 238.05,106.71 222.07,106.71 D11.2 219,106.71 203.02,106.71 D10.2 199.95,106.71 180.27,106.71 D9.2 177.2,106.71 161.22,106.71 D8.2 158.15,106.71 142.17,106.71 D7.2 139.1,106.71 123.12,106.71 D6.2 120.05,106.71 100.33,106.71 98.84,108.2 D5.2 97.3,106.71 81.32,106.71 D4.2 78.25,106.71 62.27,106.71 D3.2 59.2,106.71 43.22,106.71 D2.2 40.15,106.71 20.73,106.71 19.19,108.24 D1.2
ROW1: length 373.4
  Top w0.25: v1(290.83,116.87) v1(290.83,80.04)
  Bottom w0.25: 19.17,79.69 19.19,79.67 19.42,79.67 20.32,78.77 37.34,78.77 D18.2 39.14,78.77 56.39,78.77 D19.2 58.19,78.77 75.44,78.77 D20.2 77.24,78.77 94.49,78.77 D21.2 96.29,78.77 113.54,78.77 D22.2 115.34,78.77 132.59,78.77 D23.2 134.39,78.77 151.64,78.77 152.54,79.67 153.44,78.77 170.69,78.77 D25.2 172.49,78.77 189.74,78.77 D26.2 191.54,78.77 208.79,78.77 D27.2 210.59,78.77 227.84,78.77 D28.2 229.64,78.77 246.89,78.77 247.79,79.67 249.78,77.68 283.9,77.68 D30.2 286.26,80.04 v1(290.83,80.04) ; U2.6 341.75,116.98 341.12,116.36 332.86,116.36 332.55,116.05 313.24,116.05 312.42,116.87 v1(290.83,116.87)
ROW2: length 380.7
  Top w0.25: v1(287.02,115.6) v1(287.02,62.26)
  Bottom w0.25: v1(287.02,62.26) 287.02,61.75 D44.2 284.99,59.72 258.21,59.72 D43.2 256.41,59.72 239.16,59.72 D42.2 237.36,59.72 220.11,59.72 D41.2 218.31,59.72 201.06,59.72 D40.2 199.27,59.72 182.02,59.72 D39.2 180.22,59.72 162.97,59.72 D38.2 161.17,59.72 143.92,59.72 D37.2 142.12,59.72 124.87,59.72 D36.2 123.06,59.72 105.81,59.72 D35.2 104.02,59.72 86.77,59.72 D34.2 84.97,59.72 67.72,59.72 D33.2 65.91,59.72 48.66,59.72 D32.2 46.87,59.72 29.21,59.72 28.71,60.21 D31.2 28.58,60.75 ; v1(287.02,115.6) 287.84,114.78 289.77,114.78 290.06,115.07 342.37,115.07 343.01,115.71 U2.7
ROW3: length 386.4
  Top w0.25: v1(284.48,114.33) 284.48,52.1 v1(278.13,45.75)
  Bottom w0.25: 33.39,41.66 D45.2 34.38,40.67 51.63,40.67 D46.2 53.43,40.67 70.24,40.67 D47.2 72.03,40.67 89.28,40.67 D48.2 91.09,40.67 108.34,40.67 D49.2 110.14,40.67 127.39,40.67 D50.2 129.19,40.67 146.44,40.67 D51.2 148.24,40.67 165.49,40.67 D52.2 167.28,40.67 185.69,40.67 D53.2 187.49,40.67 204.74,40.67 D54.2 206.53,40.67 223.78,40.67 D55.2 225.59,40.67 242.13,40.67 D56.2 247.21,45.75 v1(278.13,45.75) 283.21,40.67 284.99,40.67 D57.2 ; 334.68,114.44 332.85,114.44 332.74,114.33 v1(284.48,114.33)
ROW4: length 401.1
  Top w0.25: v1(289.56,115.6) v1(289.56,22.89)
  Bottom w0.25: 334.68,115.71 332.85,115.71 332.74,115.6 335.1,115.6 v1(289.56,115.6) ; v1(289.56,22.89) 286.58,22.89 D69.2 285.31,21.62 280.67,21.62 275.59,26.7 237.68,26.7 D68.2 232.6,21.62 215.35,21.62 D67.2 214.26,22.52 213.36,21.62 196.3,21.62 D66.2 194.5,21.62 177.25,21.62 D65.2 175.45,21.62 158.2,21.62 D64.2 156.4,21.62 139.15,21.62 D63.2 137.35,21.62 120.1,21.62 D62.2 118.3,21.62 101.05,21.62 D61.2 99.25,21.62 82,21.62 D60.2 80.2,21.62 62.95,21.62 D59.2 61.15,21.62 44.45,21.62 43.55,22.52 D58.2 42.94,22.58
ROW5: length 461.6
  Top w0.25: v1(316.23,6.38) v1(316.23,80.04) v1(316.23,116.87)
  Bottom w0.25: D76.2 314.46,4.61 v1(316.23,6.38) ; D76.2 313.56,2.57 271.89,2.57 270.99,3.47 270.09,2.57 236.78,2.57 D77.2 234.98,2.57 231.14,2.57 230.24,3.47 D72.2 198.37,7.65 87.66,7.65 D71.2 82.58,2.57 34.38,2.57 D70.2 33.47,3.47 ; D76.2 315.36,2.57 332.61,2.57 D75.2 334.41,2.57 351.66,2.57 D73.2 ; 334.68,116.98 332.85,116.98 332.74,116.87 v1(316.23,116.87) ; v1(316.23,80.04) 315.86,79.67 D74.2
ROW6: length 215.1
  Top w0.25: v1(314.96,118.14) v1(314.96,63.53)
  Bottom w0.25: D85.2 322.11,68.26 322.11,71.95 328.93,78.77 332.61,78.77 D84.2 334.41,78.77 351.66,78.77 D83.2 353.46,78.77 380.24,78.77 D82.2 382.04,78.77 399.29,78.77 D81.2 401.09,78.77 418.34,78.77 D80.2 420.14,78.77 437.39,78.77 438.29,79.67 ; D85.2 314.46,60.61 ; D85.2 314.96,61.11 v1(314.96,63.53) ; v1(314.96,118.14) 332.74,118.14 332.85,118.25 334.68,118.25
ROW7: length 171.5
  Top w0.25: v1(331.47,119.41) v1(331.47,64.8)
  Bottom w0.25: 334.68,119.52 332.85,119.52 332.74,119.41 v1(331.47,119.41) ; 438.29,60.62 437.39,59.72 420.14,59.72 D87.2 418.34,59.72 401.32,59.72 400.42,60.62 D88.2 399.29,59.72 382.04,59.72 D89.2 380.24,59.72 353.46,59.72 D90.2 351.66,59.72 334.41,59.72 D91.2 333.55,60.65 333.55,62.78 333.49,62.78 v1(331.47,64.8)
ROW8: length 245.6
  Top w0.25: v1(421.64,5.11) 419.1,7.65 v1(419.1,36.86) ; v1(336.55,120.68) v1(336.55,40.67)
  Bottom w0.25: v1(336.55,120.68) 336.44,120.79 334.68,120.79 ; D95.2 380.24,40.67 v1(336.55,40.67) ; D95.2 382.04,40.67 399.29,40.67 D94.2 401.09,40.67 418.34,40.67 ; D95.2 381.1,41.6 ; v1(421.64,5.11) 420,3.47 D96.2 418.6,2.83 D97.2 ; 418.34,40.67 D93.2 420.14,40.67 437.39,40.67 438.29,41.57 ; 418.34,40.67 419.1,39.91 v1(419.1,36.86)
ROW9: length 223.1
  Top w0.25: v1(337.82,21.62) 337.82,67.34 337.23,67.93 337.23,70.56 337.82,71.15 337.82,86.39 337,87.21 337,88.57 337.82,89.39 v1(337.82,121.95)
  Bottom w0.25: v1(337.82,121.95) 337.7,122.06 334.68,122.06 ; D98.2 438.03,2.57 435.61,2.57 431.8,6.38 431.8,9.96 D99.2 418.34,21.62 401.09,21.62 D100.2 399.29,21.62 382.04,21.62 D101.2 380.24,21.62 334.41,21.62 D102.2 333.55,22.55
SCL: length 131.5
  Top w0.25: J2.5 417.51,124.17 416.56,123.22 416.56,110.52 v1(417.83,109.25) ; J1.5 341.63,135.48 v1(341.63,109.25)
  Bottom w0.25: 417.83,109.36 v1(417.83,109.25) U2.12 341.75,109.36 v1(341.63,109.25)
SDA: length 130.2
  Top w0.25: v1(340.36,107.98) 340.27,108.06 J1.6 ; v1(414.02,107.98) 413.51,108.49 J2.6
  Bottom w0.25: v1(414.02,107.98) 344.39,107.98 U2.13 344.16,107.98 v1(340.36,107.98)
SNES_CLK: length 94.2
  Top w0.25: v1(431.8,127.03) 432.01,127.24 J2.2 ; v1(361.95,127.03) 360.07,127.03 J1.2
  Bottom w0.25: 431.8,127.24 v1(431.8,127.03) 431.8,127.03 361.95,127.03 v1(361.95,127.03)
SNES_DATA: length 136.9
  Top w0.25: v1(424.18,106.71) 424.01,106.88 J2.4 ; v1(346.71,106.71) 346.71,135.31 J1.4
  Bottom w0.25: v1(346.71,106.71) v1(424.18,106.71)
SNES_LATCH: length 94.4
  Top w0.25: v1(363.22,125.76) 360.68,125.76 351.79,134.65 349.91,134.65 J1.3 ; v1(427.99,125.76) 428.01,125.78 J2.3
  Bottom w0.25: v1(363.22,125.76) v1(427.99,125.76)
Net-(D1-K): length 15.5
  Bottom w0.25: D1.1 12.7,112.53 SW1.1
Net-(D2-K): length 15.5
  Bottom w0.25: D2.1 35.2,112.53 SW2.1
Net-(D3-K): length 15.5
  Bottom w0.25: SW3.1 54.25,112.53 D3.1
Net-(D4-K): length 15.5
  Bottom w0.25: SW4.1 73.3,112.53 D4.1
Net-(D5-K): length 15.5
  Bottom w0.25: D5.1 92.35,112.53 SW5.1
Net-(D6-K): length 15.5
  Bottom w0.25: D6.1 115.09,112.53 SW6.1
Net-(D7-K): length 15.5
  Bottom w0.25: D7.1 134.14,112.53 SW7.1
Net-(D8-K): length 15.5
  Bottom w0.25: SW8.1 153.19,112.53 D8.1
Net-(D9-K): length 15.5
  Bottom w0.25: SW9.1 172.24,112.53 D9.1
Net-(D10-K): length 15.5
  Bottom w0.25: D10.1 194.99,112.53 SW10.1
Net-(D11-K): length 15.5
  Bottom w0.25: SW11.1 214.04,112.53 D11.1
Net-(D12-K): length 15.5
  Bottom w0.25: D12.1 233.09,112.53 SW12.1
Net-(D13-K): length 15.5
  Bottom w0.25: SW13.1 252.14,112.53 D13.1
Net-(D14-K): length 16.5
  Bottom w0.25: D14.1 277.02,114.91 SW14.1
Net-(D15-A): length 2.3
  Bottom w0.25: R2.1 D15.2
Net-(D16-A): length 2.3
  Bottom w0.25: R3.1 D16.2
Net-(D17-K): length 15.5
  Bottom w0.25: D17.1 12.7,83.96 SW15.1
Net-(D18-K): length 15.5
  Bottom w0.25: D18.1 31.75,83.96 SW16.1
Net-(D19-K): length 15.5
  Bottom w0.25: 55.09,79.67 50.8,83.96 SW17.1
Net-(D20-K): length 15.5
  Bottom w0.25: SW18.1 69.85,83.96 D20.1
Net-(D21-K): length 15.5
  Bottom w0.25: 93.19,79.67 88.9,83.96 SW19.1
Net-(D22-K): length 15.5
  Bottom w0.25: SW20.1 107.95,83.96 D22.1
Net-(D23-K): length 15.5
  Bottom w0.25: SW21.1 127,83.96 D23.1
Net-(D24-K): length 15.5
  Bottom w0.25: D24.1 146.05,83.96 SW22.1
Net-(D25-K): length 15.5
  Bottom w0.25: SW23.1 165.1,83.96 D25.1
Net-(D26-K): length 15.5
  Bottom w0.25: D26.1 184.15,83.96 SW24.1
Net-(D27-K): length 15.5
  Bottom w0.25: SW25.1 203.2,83.96 D27.1
Net-(D28-K): length 15.5
  Bottom w0.25: SW26.1 222.25,83.96 D28.1
Net-(D29-K): length 15.5
  Bottom w0.25: SW27.1 241.3,83.96 D29.1
Net-(D30-K): length 19.5
  Bottom w0.25: SW28.1 283.58,79.67 D30.1
Net-(D31-K): length 17.5
  Bottom w0.25: SW29.1 17.46,69.67 D31.1
Net-(D32-K): length 15.5
  Bottom w0.25: D32.1 41.27,64.91 SW30.1
Net-(D33-K): length 15.5
  Bottom w0.25: SW31.1 60.32,64.91 D33.1
Net-(D34-K): length 15.5
  Bottom w0.25: D34.1 79.38,64.91 SW32.1
Net-(D35-K): length 15.5
  Bottom w0.25: SW33.1 98.43,64.91 D35.1
Net-(D36-K): length 15.5
  Bottom w0.25: D36.1 117.47,64.91 SW34.1
Net-(D37-K): length 15.5
  Bottom w0.25: D37.1 136.53,64.91 SW35.1
Net-(D38-K): length 15.5
  Bottom w0.25: SW36.1 155.58,64.91 D38.1
Net-(D39-K): length 15.5
  Bottom w0.25: SW37.1 174.62,64.91 D39.1
Net-(D40-K): length 15.5
  Bottom w0.25: D40.1 193.68,64.91 SW38.1
Net-(D41-K): length 15.5
  Bottom w0.25: D41.1 212.72,64.91 SW39.1
Net-(D42-K): length 15.5
  Bottom w0.25: D42.1 231.78,64.91 SW40.1
Net-(D43-K): length 15.5
  Bottom w0.25: D43.1 250.83,64.91 SW41.1
Net-(D44-K): length 17.5
  Bottom w0.25: D44.1 274.64,69.67 SW42.1
Net-(D45-K): length 18.4
  Bottom w0.25: SW43.1 31.28,43.84 D45.1
Net-(D46-K): length 15.5
  Bottom w0.25: SW44.1 46.04,45.86 D46.1
Net-(D47-K): length 15.5
  Bottom w0.25: D47.1 64.65,45.86 SW45.1
Net-(D48-K): length 15.5
  Bottom w0.25: D48.1 83.69,45.86 SW46.1
Net-(D49-K): length 15.5
  Bottom w0.25: SW47.1 102.75,45.86 D49.1
Net-(D50-K): length 15.5
  Bottom w0.25: SW48.1 121.8,45.86 D50.1
Net-(D51-K): length 15.5
  Bottom w0.25: SW49.1 140.84,45.86 D51.1
Net-(D52-K): length 15.5
  Bottom w0.25: D52.1 159.9,45.86 SW50.1
Net-(D53-K): length 15.5
  Bottom w0.25: SW51.1 180.09,45.86 D53.1
Net-(D54-K): length 15.5
  Bottom w0.25: SW52.1 199.15,45.86 D54.1
Net-(D55-K): length 15.5
  Bottom w0.25: SW53.1 218.2,45.86 D55.1
Net-(D56-K): length 15.5
  Bottom w0.25: SW54.1 236.54,45.86 D56.1
Net-(D57-K): length 22.6
  Bottom w0.25: SW55.1 271.14,55.27 283.69,42.73 D57.1
Net-(D58-K): length 21.9
  Bottom w0.25: D58.1 27.1,36.22 SW56.1
Net-(D59-K): length 15.5
  Bottom w0.25: D59.1 55.56,26.81 SW57.1
Net-(D60-K): length 15.5
  Bottom w0.25: D60.1 74.61,26.81 SW58.1
Net-(D61-K): length 15.5
  Bottom w0.25: D61.1 93.66,26.81 SW59#2.1
Net-(D62-K): length 15.5
  Bottom w0.25: SW60.1 112.71,26.81 D62.1
Net-(D63-K): length 15.5
  Bottom w0.25: D63.1 131.76,26.81 SW61.1
Net-(D64-K): length 15.5
  Bottom w0.25: SW62.1 150.81,26.81 D64.1
Net-(D65-K): length 15.5
  Bottom w0.25: D65.1 169.86,26.81 SW63.1
Net-(D66-K): length 15.5
  Bottom w0.25: D66.1 188.91,26.81 SW64.1
Net-(D67-K): length 15.5
  Bottom w0.25: SW65.1 207.96,26.81 D67.1
Net-(D68-K): length 15.5
  Bottom w0.25: D68.1 227.01,26.81 SW66.1
Net-(D69-K): length 27
  Bottom w0.25: SW67.1 270.31,36.22 D69.1
Net-(D70-K): length 18.4
  Bottom w0.25: SW68.1 31.28,5.74 D70.1
Net-(D71-K): length 18.4
  Bottom w0.25: SW69.1 81.28,5.74 D71.1
Net-(D72-K): length 116.6
  Top w0.25: SW59.1 196.06,5.9 v1(198.12,3.84)
  Bottom w0.25: SW59#3.1 SW70.1 SW59.1 ; v1(198.12,3.84) 199.98,3.84 D72.1
Net-(D73-K): length 15.5
  Bottom w0.25: SW71.1 346.07,7.76 D73.1
Net-(D74-K): length 15.5
  Bottom w0.25: D74.1 307.97,83.96 SW72.1
Net-(D75-K): length 15.5
  Bottom w0.25: D75.1 327.02,7.76 SW73.1
Net-(D76-K): length 15.5
  Bottom w0.25: SW74.1 307.97,7.76 D76.1
Net-(D77-K): length 18.4
  Bottom w0.25: SW75.1 233.68,5.74 D77.1
Net-(D78-K): length 15.1
  Bottom w0.25: D78.1 272.26,6.93 SW76.1
Net-(D79-K): length 15.5
  Bottom w0.25: SW77.1 431.8,83.96 D79.1
Net-(D80-K): length 15.5
  Bottom w0.25: D80.1 412.75,83.96 SW78.1
Net-(D81-K): length 15.5
  Bottom w0.25: SW79.1 393.7,83.96 D81.1
Net-(D82-K): length 15.5
  Bottom w0.25: 378.94,79.67 374.65,83.96 SW80.1
Net-(D83-K): length 15.5
  Bottom w0.25: D83.1 346.07,83.96 SW81.1
Net-(D84-K): length 15.5
  Bottom w0.25: SW82.1 327.02,84.48 331.31,80.19 D84.1
Net-(D85-K): length 15.5
  Bottom w0.25: SW83.1 307.97,64.91 D85.1
Net-(D86-K): length 15.5
  Bottom w0.25: SW84.1 431.8,64.91 D86.1
Net-(D87-K): length 15.5
  Bottom w0.25: D87.1 412.75,64.91 SW85.1
Net-(D88-K): length 15.5
  Bottom w0.25: SW86.1 393.7,64.91 D88.1
Net-(D89-K): length 15.5
  Bottom w0.25: 378.94,60.62 374.65,64.91 SW87.1
Net-(D90-K): length 15.5
  Bottom w0.25: D90.1 346.07,64.91 SW88.1
Net-(D91-K): length 15.5
  Bottom w0.25: D91.1 327.02,64.91 SW89.1
Net-(D92-K): length 15.5
  Bottom w0.25: D92.1 431.8,45.86 SW90.1
Net-(D93-K): length 15.5
  Bottom w0.25: D93.1 412.75,45.86 SW91.1
Net-(D94-K): length 15.5
  Bottom w0.25: SW92.1 393.7,45.86 D94.1
Net-(D95-K): length 15.5
  Bottom w0.25: SW93.1 374.65,45.86 378.94,41.57
Net-(D96-K): length 15.5
  Bottom w0.25: D96.1 412.75,7.76 SW94.1
Net-(D97-K): length 20.1
  Bottom w0.25: SW95.1 397.99,3.36 D97.1
Net-(D98-K): length 25.3
  Bottom w0.25: D98.1 432.9,7.3 432.9,25.6 SW96.1
Net-(D99-K): length 15.5
  Bottom w0.25: D99.1 412.75,26.81 SW97.1
Net-(D100-K): length 15.5
  Bottom w0.25: SW98.1 393.7,26.81 D100.1
Net-(D101-K): length 15.5
  Bottom w0.25: SW99.1 374.65,26.81 378.94,22.52
Net-(D102-K): length 15.5
  Bottom w0.25: SW100.1 327.02,26.81 D102.1
Net-(U1-A0): length 4.7
  Bottom w0.25: U2.1 U1.23
Net-(U1-A1): length 4.7
  Bottom w0.25: 349,122.06 U2.2
Net-(U1-A2): length 4.7
  Bottom w0.25: U2.3 U1.21
Net-(U1-A3): length 4.7
  Bottom w0.25: 349,119.52 U2.4
Net-(U2-~{RESET}): length 2.7
  Bottom w0.25: R7.2 334.68,110.63

## Copper pours and planes (outline as drawn; the poured copper is in the pictures)
GND on Top: 0,139.73 0,0.03 440.69,0.03 440.69,139.73
VCC on Bottom: 0,139.73 0,0.03 440.69,0.03 440.69,139.73
